# Altium PCB DRS4-PCB.PcbDoc (part 1 of 15) (continued)
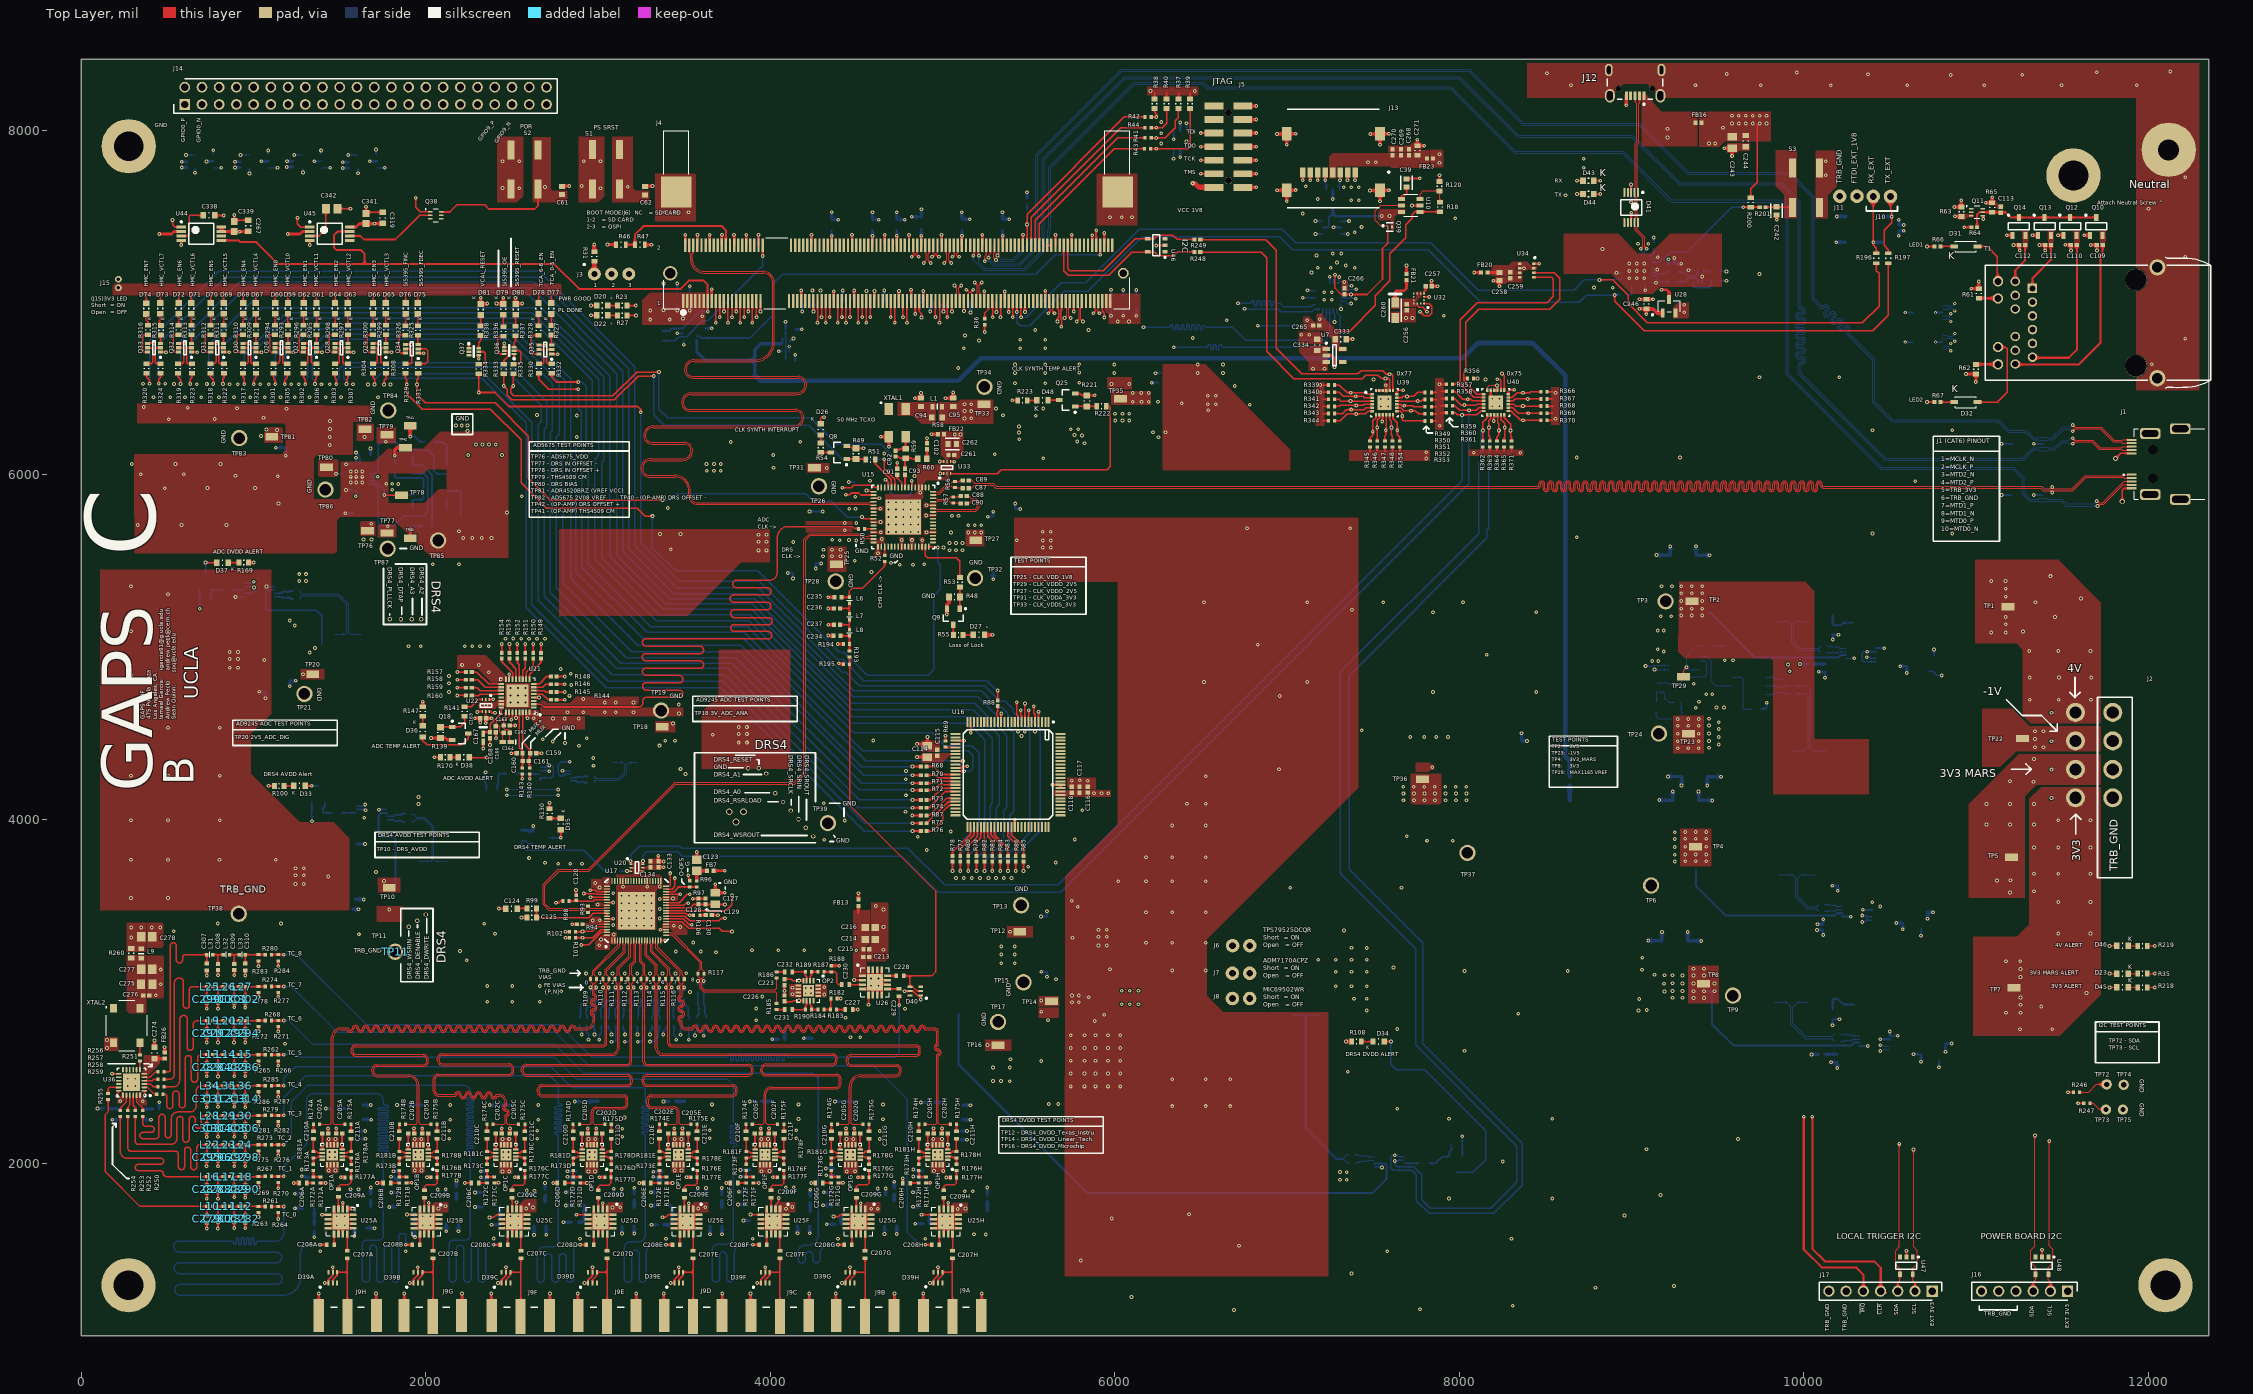
[diagram p0: Top Layer view]
## Design rules (kind name [scope] priority, off if disabled: settings) (continued)
DiffPairsRouting [All] p19: maxlimit=6 minlimit=5 mostfreqgap=5 toplayer_minwidth=4 toplayer_maxwidth=5 toplayer_prefwidth=5 midlayer1_minwidth=5 midlayer1_maxwidth=15 midlayer1_prefwidth=15 midlayer2_minwidth=5 midlayer2_maxwidth=15 midlayer2_prefwidth=15 midlayer3_prefgap=6 midlayer3_minwidth=3.24 midlayer3_maxwidth=5 midlayer3_prefwidth=4 midlayer4_minwidth=5 midlayer4_maxwidth=15 midlayer4_prefwidth=15 midlayer5_minwidth=5 midlayer5_maxwidth=15 midlayer5_prefwidth=15 midlayer6_minwidth=5 midlayer6_maxwidth=15 midlayer6_prefwidth=15 midlayer7_minwidth=5 midlayer7_maxwidth=15 midlayer7_prefwidth=15 midlayer8_minwidth=4 midlayer8_maxwidth=5 midlayer8_prefwidth=4 midlayer9_minwidth=5 midlayer9_maxwidth=15 midlayer9_prefwidth=15 midlayer10_minwidth=5 midlayer10_maxwidth=15 midlayer10_prefwidth=15 bottomlayer_minwidth=5 bottomlayer_maxwidth=15 bottomlayer_prefwidth=5 maxuncoupledlength=500
HoleSize [All] p1: absolutevalues=TRUE maxlimit=500 minlimit=1 maxpercent=80.000 minpercent=20.000
MatchedLengths "Schematic Matched Net Lengths_19" [InNet('IO_MIO41_B13_L16_W9')] p1: tolerance=100 checknetsindiffpair=FALSE checkdiffpairvsdiffpair=TRUE checkxsignals=TRUE checkothers=TRUE
MatchedLengths "Schematic Matched Net Lengths_18" [InNet('IO_B35_L3_N')] p2: tolerance=100 checknetsindiffpair=FALSE checkdiffpairvsdiffpair=TRUE checkxsignals=TRUE checkothers=TRUE
MatchedLengths "Schematic Matched Net Lengths_17" [InNet('MCLK_P')] p3: tolerance=100 checknetsindiffpair=FALSE checkdiffpairvsdiffpair=TRUE checkxsignals=TRUE checkothers=TRUE
MatchedLengths "Schematic Matched Net Lengths_16" [InNet('IO_B35_L3_P')] p4: tolerance=100 checknetsindiffpair=FALSE checkdiffpairvsdiffpair=TRUE checkxsignals=TRUE checkothers=TRUE
MatchedLengths "Schematic Matched Net Lengths_15" [InNet('IO_B35_L6_P')] p5: tolerance=100 checknetsindiffpair=FALSE checkdiffpairvsdiffpair=TRUE checkxsignals=TRUE checkothers=TRUE
MatchedLengths "Schematic Matched Net Lengths_14" [InNet('SDIO_CLK')] p6: tolerance=100 checknetsindiffpair=FALSE checkdiffpairvsdiffpair=TRUE checkxsignals=TRUE checkothers=TRUE
MatchedLengths "Schematic Matched Net Lengths_13" [InNet('IO_MIO43_B13_L18_Y11')] p7: tolerance=100 checknetsindiffpair=FALSE checkdiffpairvsdiffpair=TRUE checkxsignals=TRUE checkothers=TRUE
MatchedLengths "Schematic Matched Net Lengths_12" [InNet('IO_B35_L6_N')] p8: tolerance=100 checknetsindiffpair=FALSE checkdiffpairvsdiffpair=TRUE checkxsignals=TRUE checkothers=TRUE
MatchedLengths "Schematic Matched Net Lengths_11" [InNet('IO_MIO44_B13_L14_SRCC_Y9')] p9: tolerance=100 checknetsindiffpair=FALSE checkdiffpairvsdiffpair=TRUE checkxsignals=TRUE checkothers=TRUE
MatchedLengths "Schematic Matched Net Lengths_10" [InNet('IO_B35_L5_P')] p10: tolerance=100 checknetsindiffpair=FALSE checkdiffpairvsdiffpair=TRUE checkxsignals=TRUE checkothers=TRUE
MatchedLengths "Schematic Matched Net Lengths_9" [InNet('IO_MIO42_B13_L18_W11')] p11: tolerance=100 checknetsindiffpair=FALSE checkdiffpairvsdiffpair=TRUE checkxsignals=TRUE checkothers=TRUE
MatchedLengths "Schematic Matched Net Lengths_8" [InNet('IO_MIO40_B13_L16_W10')] p12: tolerance=100 checknetsindiffpair=FALSE checkdiffpairvsdiffpair=TRUE checkxsignals=TRUE checkothers=TRUE
MatchedLengths "Schematic Matched Net Lengths_7" [InNet('SD_DAT2')] p13: tolerance=100 checknetsindiffpair=FALSE checkdiffpairvsdiffpair=TRUE checkxsignals=TRUE checkothers=TRUE
MatchedLengths "Schematic Matched Net Lengths_6" [InNet('SD_DAT3')] p14: tolerance=100 checknetsindiffpair=FALSE checkdiffpairvsdiffpair=TRUE checkxsignals=TRUE checkothers=TRUE
MatchedLengths "Schematic Matched Net Lengths_5" [InNet('SD_DAT0')] p15: tolerance=100 checknetsindiffpair=FALSE checkdiffpairvsdiffpair=TRUE checkxsignals=TRUE checkothers=TRUE
MatchedLengths "Schematic Matched Net Lengths_4" [InNet('IO_B35_L5_N')] p16: tolerance=100 checknetsindiffpair=FALSE checkdiffpairvsdiffpair=TRUE checkxsignals=TRUE checkothers=TRUE
MatchedLengths "Schematic Matched Net Lengths_3" [InNet('SD_DAT1')] p17: tolerance=100 checknetsindiffpair=FALSE checkdiffpairvsdiffpair=TRUE checkxsignals=TRUE checkothers=TRUE
MatchedLengths "Schematic Matched Net Lengths_2" [InNet('SD_CMD')] p18: tolerance=100 checknetsindiffpair=FALSE checkdiffpairvsdiffpair=TRUE checkxsignals=TRUE checkothers=TRUE
MatchedLengths "Schematic Matched Net Lengths_1" [InNet('SD_CLK')] p19: tolerance=100 checknetsindiffpair=FALSE checkdiffpairvsdiffpair=TRUE checkxsignals=TRUE checkothers=TRUE
MatchedLengths "Schematic Matched Net Lengths" [InNet('IO_MIO45_B13_L14_Y8')] p20: tolerance=100 checknetsindiffpair=FALSE checkdiffpairvsdiffpair=TRUE checkxsignals=TRUE checkothers=TRUE
PlaneConnect [All] p1: planeconnectstyle=Direct reliefexpansion=20 reliefentries=4 reliefconductorwidth=10 reliefairgap=10
PolygonConnect [All] p1: connectstyle=Direct reliefconductorwidth=10 reliefentries=4 polygonreliefangle="90 Angle" airgapwidth=10
RoomDefinition ToF [InComponentClass('ToF')] p1: confinementstyle=ConfineIn formatcopy=TRUE lockcomponents=FALSE outline 0,0 2000,0 2000,1000 0,1000
RoomDefinition "TCA FILTER" [InComponentClass('TCA FILTER')] p2: confinementstyle=ConfineIn formatcopy=TRUE lockcomponents=FALSE outline 0,0 2000,0 2000,1000 0,1000
RoomDefinition "TCA CLK" [InComponentClass('TCA CLK')] p3: confinementstyle=ConfineIn formatcopy=TRUE lockcomponents=FALSE outline 0,0 2000,0 2000,1000 0,1000
RoomDefinition SOM1 [InComponentClass('SOM1')] p4: confinementstyle=ConfineIn formatcopy=TRUE lockcomponents=FALSE outline 0,0 2000,0 2000,1000 0,1000
RoomDefinition "Misc. GPIO" [InComponentClass('Misc. GPIO')] p5: confinementstyle=ConfineIn formatcopy=TRUE lockcomponents=FALSE outline 0,0 2000,0 2000,1000 0,1000
RoomDefinition "MIO Peripherals" [InComponentClass('MIO Peripherals')] p6: confinementstyle=ConfineIn formatcopy=TRUE lockcomponents=FALSE outline 0,0 2000,0 2000,1000 0,1000
RoomDefinition "MarsZX2 PWR Reset" [InComponentClass('MarsZX2 PWR Reset')] p7: confinementstyle=ConfineIn formatcopy=TRUE lockcomponents=FALSE outline 0,0 2000,0 2000,1000 0,1000
RoomDefinition "Mars PWR" [InComponentClass('Mars PWR')] p8: confinementstyle=ConfineIn formatcopy=TRUE lockcomponents=FALSE outline 0,0 2000,0 2000,1000 0,1000
RoomDefinition "Mars Ethernet" [InComponentClass('Mars Ethernet')] p9: confinementstyle=ConfineIn formatcopy=TRUE lockcomponents=FALSE outline 0,0 2000,0 2000,1000 0,1000
RoomDefinition "Main Voltage Sensors" [InComponentClass('Main Voltage Sensors')] p10: confinementstyle=ConfineIn formatcopy=TRUE lockcomponents=FALSE outline 0,0 2000,0 2000,1000 0,1000
RoomDefinition "I2C Multiplexer" [InComponentClass('I2C Multiplexer')] p11: confinementstyle=ConfineIn formatcopy=TRUE lockcomponents=FALSE outline 0,0 2000,0 2000,1000 0,1000
RoomDefinition "I2C GPIO LED" [InComponentClass('I2C GPIO LED')] p12: confinementstyle=ConfineIn formatcopy=TRUE lockcomponents=FALSE outline 0,0 2000,0 2000,1000 0,1000
RoomDefinition "I2C GPIO" [InComponentClass('I2C GPIO')] p13: confinementstyle=ConfineIn formatcopy=TRUE lockcomponents=FALSE outline 0,0 2000,0 2000,1000 0,1000
RoomDefinition FTDI [InComponentClass('FTDI')] p14: confinementstyle=ConfineIn formatcopy=TRUE lockcomponents=FALSE outline 0,0 2000,0 2000,1000 0,1000
RoomDefinition FE8 [InComponentClass('FE8')] p15: confinementstyle=ConfineIn formatcopy=TRUE lockcomponents=FALSE outline 0,0 2000,0 2000,1000 0,1000
RoomDefinition FE7 [InComponentClass('FE7')] p16: confinementstyle=ConfineIn formatcopy=TRUE lockcomponents=FALSE outline 0,0 2000,0 2000,1000 0,1000
RoomDefinition FE6 [InComponentClass('FE6')] p17: confinementstyle=ConfineIn formatcopy=TRUE lockcomponents=FALSE outline 0,0 2000,0 2000,1000 0,1000
RoomDefinition FE5 [InComponentClass('FE5')] p18: confinementstyle=ConfineIn formatcopy=TRUE lockcomponents=FALSE outline 0,0 2000,0 2000,1000 0,1000
RoomDefinition FE4 [InComponentClass('FE4')] p19: confinementstyle=ConfineIn formatcopy=TRUE lockcomponents=FALSE outline 0,0 2000,0 2000,1000 0,1000
RoomDefinition FE3 [InComponentClass('FE3')] p20: confinementstyle=ConfineIn formatcopy=TRUE lockcomponents=FALSE outline 0,0 2000,0 2000,1000 0,1000
RoomDefinition FE2 [InComponentClass('FE2')] p21: confinementstyle=ConfineIn formatcopy=TRUE lockcomponents=FALSE outline 0,0 2000,0 2000,1000 0,1000
RoomDefinition FE1 [InComponentClass('FE1')] p22: confinementstyle=ConfineIn formatcopy=TRUE lockcomponents=FALSE outline 0,0 2000,0 2000,1000 0,1000
RoomDefinition FE0 [InComponentClass('FE0')] p23: confinementstyle=ConfineIn formatcopy=TRUE lockcomponents=FALSE outline 0,0 2000,0 2000,1000 0,1000
RoomDefinition DRS1 [InComponentClass('DRS1')] p24: confinementstyle=ConfineIn formatcopy=TRUE lockcomponents=FALSE outline 0,0 2000,0 2000,1000 0,1000
RoomDefinition DAC [InComponentClass('DAC')] p25: confinementstyle=ConfineIn formatcopy=TRUE lockcomponents=FALSE outline 0,0 2000,0 2000,1000 0,1000
RoomDefinition "Clock synthesis" [InComponentClass('Clock synthesis')] p26: confinementstyle=ConfineIn formatcopy=TRUE lockcomponents=FALSE outline 0,0 2000,0 2000,1000 0,1000
RoomDefinition "Clock Power" [InComponentClass('Clock Power')] p27: confinementstyle=ConfineIn formatcopy=TRUE lockcomponents=FALSE outline 0,0 2000,0 2000,1000 0,1000
RoomDefinition ADC [InComponentClass('ADC')] p28: confinementstyle=ConfineIn formatcopy=TRUE lockcomponents=FALSE outline 0,0 2000,0 2000,1000 0,1000
RoomDefinition -1V [InComponentClass('-1V')] p29: confinementstyle=ConfineIn formatcopy=TRUE lockcomponents=FALSE outline 0,0 2000,0 2000,1000 0,1000
RoomDefinition 4V [InComponentClass('4V')] p30: confinementstyle=ConfineIn formatcopy=TRUE lockcomponents=FALSE outline 0,0 2000,0 2000,1000 0,1000
RoomDefinition 3V_ADC [InComponentClass('3V_ADC')] p31: confinementstyle=ConfineIn formatcopy=TRUE lockcomponents=FALSE outline 0,0 2000,0 2000,1000 0,1000
RoomDefinition 3V3_DIST_ZYNQ [InComponentClass('3V3_DIST_ZYNQ')] p32: confinementstyle=ConfineIn formatcopy=TRUE lockcomponents=FALSE outline 0,0 2000,0 2000,1000 0,1000
RoomDefinition 3_3V_DIST [InComponentClass('3_3V_DIST')] p33: confinementstyle=ConfineIn formatcopy=TRUE lockcomponents=FALSE outline 0,0 2000,0 2000,1000 0,1000
RoomDefinition 2V5_DRS4_SUPPLY [InComponentClass('2V5_DRS4_SUPPLY')] p34: confinementstyle=ConfineIn formatcopy=TRUE lockcomponents=FALSE outline 0,0 2000,0 2000,1000 0,1000
RoomDefinition 1V8_SUPPLY [InComponentClass('1V8_SUPPLY')] p35: confinementstyle=ConfineIn formatcopy=TRUE lockcomponents=FALSE outline 0,0 2000,0 2000,1000 0,1000
RoutingVias [All] p1: holewidth=28 width=50 viastyle="Through Hole" minholewidth=28 minwidth=50 maxholewidth=28 maxwidth=50
SolderMaskExpansion [All] p1: expansion=4 istentingtop=FALSE
UnRoutedNet DeadVias [(ObjectKind = 'Via') And (Net = 'No Net')] p1:
UnRoutedNet DeadTracks [(ObjectKind = 'Track') And (Layer = 'Bottom Layer') And (Net = 'No Net')] p2:
UnRoutedNet [All] p3: checkbadconnections=TRUE
Width Width_S50 [InNetClass('S50')] p1: maxlimit=10 minlimit=3 preferedwidth=3.61 toplayer_minwidth=7 toplayer_prefwidth=8.72 midlayer2_minwidth=4 midlayer2_prefwidth=4.8 bottomlayer_minwidth=7 bottomlayer_prefwidth=8.72 impedanceprofiledriven=TRUE impedanceprofileid={BFA43C06-BE16-4340-AEB9-550528105CF2} impedanceprofilevalue=50.000000 minimp=50.000000 maximp=50.000000 favimp=50.000000 // 50 Ohm single ended
Width [All] p2: maxlimit=196.85 minlimit=5 preferedwidth=10 minimp=50.000000 maximp=50.000000 favimp=50.000000
26 further rules are at their usual default settings.

## Classes and differential pairs
component class "Galvanic I2C Interface": J16 J17 U47 U48
differential pair class D90: USB
differential pair class D100: 3V3_SENSE 3V3_ZYNQ_SENSE 4V_SENSE -1V_SENSE ADC_ANA_SENSE ADC_DIG_SENSE DRS4_IN0 DRS4_IN1 DRS4_IN2 DRS4_IN3 DRS4_IN4 DRS4_IN5 DRS4_IN6 DRS4_IN7 DRS4_IN8 ETH_A ETH_B ETH_C ETH_D GPIO0 GPIO1 GPIO2 GPIO3 GPIO4 GPIO5 GPIO6 GPIO7 IO_B35_L3 IO_B35_L5 IO_B35_L6 MCLK OUT0A OUT2 OUT9A
net class S50: ADC_CLK CLK_SYNTH_8 CLK_SYNTH_LP IO_MIO40_B13_L16_W10 IO_MIO41_B13_L16_W9 IO_MIO42_B13_L18_W11 IO_MIO43_B13_L18_Y11 IO_MIO44_B13_L14_SRCC_Y9 IO_MIO45_B13_L14_Y8 NetC206A_2 NetC206B_2 NetC206C_2 NetC206D_2 NetC206E_2 NetC206F_2 NetC206G_2 NetC206H_2 NetC207A_1 NetC207A_2 NetC207B_1 NetC207B_2 NetC207C_1 NetC207C_2 NetC207D_1 NetC207D_2 NetC207E_1 NetC207E_2 NetC207F_1 NetC207F_2 NetC207G_1 NetC207G_2 NetC207H_1 NetC207H_2 NetC208A_1 NetC208B_1 NetC208C_1 NetC208D_1 NetC208E_1 NetC208F_1 NetC208G_1 NetC208H_1 NetC209A_1 NetC209A_2 NetC209B_1 NetC209B_2 NetC209C_1 NetC209C_2 NetC209D_1 NetC209D_2 NetC209E_1 NetC209E_2 NetC209F_1 NetC209F_2 NetC209G_1 NetC209G_2 NetC209H_1 NetC209H_2 NetC227_2 NetC228_1 NetC229_1 NetC230_1 NetC230_2 NetC234_2 NetC236_2 NetC237_2 NetC280_2 NetC281_2 NetC282_2 NetC284_2 NetC285_2 NetC286_2 NetC288_2 NetC289_2 NetC290_2 NetC292_2 NetC293_2 NetC294_2 NetC296_2 NetC297_2 NetC298_2 NetC300_2 NetC301_2 NetC302_2 NetC304_2 NetC305_2 NetC306_2 NetC308_2 NetC309_2 NetC310_2 NetC312_2 NetC313_2 NetC314_2 NetOP1A_2 NetOP1A_11 NetOP1B_2 NetOP1B_11 NetOP1C_2 NetOP1C_11 NetOP1D_2 NetOP1D_11 NetOP1E_2 NetOP1E_11 NetOP1F_2 NetOP1F_11 NetOP1G_2 NetOP1G_11 NetOP1H_2 NetOP1H_11 NetOP2_2 NetR171A_1 NetR171B_1 NetR171C_1 NetR171D_1 NetR171E_1 NetR171F_1 NetR171G_1 NetR171H_1 NetR182_1 NetR250_1 NetR252_1 NetR253_1 NetR254_1 NetR255_1 NetR256_1 NetR257_1 NetR258_1 NetR259_1 NetU36_14 NetU36_15 NetU36_16 OUT1 OUT3 SD_CLK SD_CMD SD_DAT0 SD_DAT1 SD_DAT2 SD_DAT3 SDIO_CLK TC_0 TC_1 TC_2 TC_3 TC_4 TC_5 TC_6 TC_7 TC_8 TCA_CLK0 TCA_CLK1 TCA_CLK2 TCA_CLK3 TCA_CLK4 TCA_CLK5 TCA_CLK6 TCA_CLK7 TCA_CLK8
component class "I2C GPIO": C114 C115 C116 C117 C118 R68 R69 R70 R71 R72 R73 R74 R75 R76 R77 R78 R79 R80 R81 R82 R83 R84 R85 R86 R87 R88 U16
component class "MarsZX2 PWR Reset": C267 C319 C338 C339 C341 C342 Q38 U44 U45
component class "I2C Multiplexer": C329 C330 R339 R340 R341 R342 R343 R344 R345 R346 R347 R348 R349 R350 R351 R352 R353 R354 R356 R357 R358 R359 R360 R361 R362 R363 R364 R365 R366 R367 R368 R369 R370 R371 U39 U40
component class 1V8_SUPPLY: C333 C334 U7
channel class ANA_FE: FE0 FE1 FE2 FE3 FE4 FE5 FE6 FE7
component class FE7: C192H C193H C194H C195H C196H C197H C198H C199H C200H C201H C202H C203H C204H C205H C206H C207H C208H C209H C210H C211H C212H C221_FE7 C222_FE7 C223_FE7 D39H FB10H FB11H FB12H J9H L2H L3H OP1H R171H R172H R173H R174H R175H R176H R177H R178H R179H R180H R181H U25H
component class FE6: C192G C193G C194G C195G C196G C197G C198G C199G C200G C201G C202G C203G C204G C205G C206G C207G C208G C209G C210G C211G C212G C221_FE6 C222_FE6 C223_FE6 D39G FB10G FB11G FB12G J9G L2G L3G OP1G R171G R172G R173G R174G R175G R176G R177G R178G R179G R180G R181G U25G
component class FE5: C192F C193F C194F C195F C196F C197F C198F C199F C200F C201F C202F C203F C204F C205F C206F C207F C208F C209F C210F C211F C212F C221_FE5 C222_FE5 C223_FE5 D39F FB10F FB11F FB12F J9F L2F L3F OP1F R171F R172F R173F R174F R175F R176F R177F R178F R179F R180F R181F U25F
component class FE4: C192E C193E C194E C195E C196E C197E C198E C199E C200E C201E C202E C203E C204E C205E C206E C207E C208E C209E C210E C211E C212E C221_FE4 C222_FE4 C223_FE4 D39E FB10E FB11E FB12E J9E L2E L3E OP1E R171E R172E R173E R174E R175E R176E R177E R178E R179E R180E R181E U25E
component class FE3: C192D C193D C194D C195D C196D C197D C198D C199D C200D C201D C202D C203D C204D C205D C206D C207D C208D C209D C210D C211D C212D C221_FE3 C222_FE3 C223_FE3 D39D FB10D FB11D FB12D J9D L2D L3D OP1D R171D R172D R173D R174D R175D R176D R177D R178D R179D R180D R181D U25D
component class FE2: C192C C193C C194C C195C C196C C197C C198C C199C C200C C201C C202C C203C C204C C205C C206C C207C C208C C209C C210C C211C C212C C221_FE2 C222_FE2 C223_FE2 D39C FB10C FB11C FB12C J9C L2C L3C OP1C R171C R172C R173C R174C R175C R176C R177C R178C R179C R180C R181C U25C
component class FE1: C192B C193B C194B C195B C196B C197B C198B C199B C200B C201B C202B C203B C204B C205B C206B C207B C208B C209B C210B C211B C212B C221_FE1 C222_FE1 C223_FE1 D39B FB10B FB11B FB12B J9B L2B L3B OP1B R171B R172B R173B R174B R175B R176B R177B R178B R179B R180B R181B U25B
component class FE0: C192A C193A C194A C195A C196A C197A C198A C199A C200A C201A C202A C203A C204A C205A C206A C207A C208A C209A C210A C211A C212A C221_FE0 C222_FE0 C223_FE0 D39A FB10A FB11A FB12A J9A L2A L3A OP1A R171A R172A R173A R174A R175A R176A R177A R178A R179A R180A R181A U25A
component class "TCA FILTER": C279 C280 C281 C282 C283 C284 C285 C286 C287 C288 C289 C290 C291 C292 C293 C294 C295 C296 C297 C298 C299 C300 C301 C302 C303 C304 C305 C306 C307 C308 C309 C310 C311 C312 C313 C314 L10 L11 L12 L13 L14 L15 L16 L17 L18 L19 L20 L21 L22 L23 L24 L25 L26 L27 L28 L29 L30 L31 L32 L33 L34 L35 L36 R261 R262 R263 R264 R265 R266 R267 R268 R269 R270 R271 R272 R273 R274 R275 R276 R277 R278 R279 R280 R281 R282 R283 R284 R285 R286 R287
component class "TCA CLK": C272 C273 C274 C275 C276 C277 C278 FB24 FB25 FB26 L9 R250 R251 R252 R253 R254 R255 R256 R257 R258 R259 R260 U36 XTAL2
component class "Main Voltage Sensors": C40 C41 C42 C247 C248 C249 C250 C251 C252 C253 C254 C255 C256 C257 C258 C259 C260 C261 C262 C264 D45 D46 D48 FB17 FB18 FB20 FB21 FB22 Q22 Q23 Q25 R121 R122 R123 R124 R125 R126 R206 R207 R208 R209 R210 R212 R213 R214 R215 R216 R218 R219 R221 R222 R223 TP29 U29 U30 U31 U32 U33 U34 U43 U49
component class "MIO Peripherals": C39 C265 C266 C268 C269 C270 C271 D49 D50 FB23 J13 Q39 R18 R120 R246 R247 R248 R249 TP72 TP73 TP74 TP75 U10 U35 U46
component class "Misc. GPIO": C315 C316 C317 C318 D54 D55 D56 D57 J14
component class FTDI: C238 C239 C240 C241 C242 C243 C244 C245 C246 D41 D42 D43 D44 FB16 J10 J11 J12 Q21 R196 R197 R198 R199 R200 R201 R202 R203 R204 R205 S3 U27 U28
component class FE8: C213 C214 C215 C216 C217 C218 C219 C220 C221 C222 C223 C224 C225 C226 C227 C228 C229 C230 C231 C232 C233 C234 C235 C236 C237 D40 FB13 FB14 FB15 L4 L5 L6 L7 L8 OP2 R182 R183 R184 R185 R186 R187 R188 R189 R190 R191 R192 R193 R194 R195 U26
component class 4V: C1 C2 CR1 D5 F1 F? FB1 Q1 R1 R2 TP1 TP2 TP3
component class -1V: C29 C30 CR4 F4 FB4 R14 TP22 TP23 TP24
component class ToF: *? D1 D2 D3 D4 D25 D28 J1 J2
component class "Mars PWR": C51 C52 C53 C54 C55 C56 C57 C58 C59 C60 C61 C62 C63 C64 C65 C66 C67 C68 C69 C70 C71 C72 C73 C74 C75 C76 C77 C78 C79 C80 C81 C82 C83 C84 CR5 D19 D20 D21 D22 D23 F5 FB5 gnd J3 Q4 Q5 Q6 Q7 R21 R22 R23 R24 R25 R26 R27 R28 R29 R30 R31 R32 R33 R34 R35 S1 S2 TP35 TP36 TP37 TP38 U13 U14
component class DAC: C321 C322 C323 C324 C325 C326 C327 C328 FB27 FB28 FB29 OP3 R288 R289 R290 R291 R292 TP40 TP41 TP42 TP76 TP77 TP78 TP79 TP80 TP81 TP82 TP83 TP84 TP85 TP86 TP87 U37 U38
component class "Clock Power": C31 C32 C33 C34 C35 C36 C37 C38 C43 C44 C45 C46 C47 C48 C49 C50 D14 D15 D17 D18 R16 R17 R19 R20 TP25 TP26 TP27 TP28 TP31 TP32 TP33 TP34 U8 U9 U11 U12
component class 3V_ADC: C21 C22 C23 C24 C25 C26 C27 C28 D11 D12 R12 R13 TP18 TP19 TP20 TP21 U5 U6
component class 3V3_DIST_ZYNQ: C3 C4 CR2 D6 F2 FB2 Q2 R3 R4 TP4 TP5 TP6
component class 3_3V_DIST: C5 C6 D7 F3 FB3 Q3 R5 R6 TP7 TP8 TP9
component class 2V5_DRS4_SUPPLY: C7 C8 C9 C10 C11 C12 C13 C14 C15 C16 C17 C18 C19 C20 D8 D9 D10 R7 R8 R9 R10 R11 TP10 TP11 TP12 TP13 TP14 TP15 TP16 TP17 U1 U2 U3 U4
component class "I2C GPIO LED": D59 D60 D61 D62 D63 D64 D65 D66 D67 D68 D69 D70 D71 D72 D73 D74 D75 D76 D77 D78 D79 D80 D81 J15 Q26 Q27 Q28 Q29 Q30 Q31 Q32 Q33 Q34 Q35 Q36 Q37 Q? R293 R294 R295 R296 R297 R298 R299 R300 R301 R302 R303 R304 R305 R306 R307 R308 R309 R310 R311 R312 R313 R314 R315 R316 R317 R318 R319 R320 R321 R322 R323 R324 R325 R326 R327 R328 R329 R330 R331 R332 R333 R334 R335 R336 R337 R338
component class SOM1: C85 D24 J4 J5 R36 R37 R38 R39 R40 R41 R42 R43 R44 R45 R46 R47
component class "Mars Ethernet": C109 C110 C111 C112 C113 D29 D30 D31 D32 Q10 Q11 Q12 Q13 Q14 R61 R62 R63 R64 R65 R66 R67 T1
component class DRS1: a2 C119 C120 C121 C122 C123 C124 C125 C126 C127 C128 C129 C130 C131 C132 C133 C134 C135 C136 C137 C138 C139 C140 C141 C142 C143 C144 C145 C146 C147 C148 C149 C150 C151 C152 C153 C154 C155 C156 C157 C158 D33 D34 D35 FB7 J6 J7 J8 Q15 Q16 Q17 R89 R90 R91 R92 R93 R94 R95 R96 R97 R98 R99 R100 R101 R102 R103 R104 R105 R106 R107 R108 R109 R110 R111 R112 R113 R114 R115 R116 R117 R118 R119 R129 R130 TP39 U17 U18 U19 U20
component class "Clock synthesis": C86 C87 C88 C89 C90 C91 C92 C93 C94 C95 C96 C97 C98 C99 C100 C101 C102 C103 C104 C105 C106 C107 C108 D26 D27 FB6 L1 Q8 Q9 R48 R49 R50 R51 R52 R53 R54 R55 R56 R57 R58 R59 R60 U15 XTAL1
component class ADC: C159 C160 C161 C162 C163 C164 C165 C166 C167 C168 C170 C171 C172 C173 C174 C175 C176 C177 C178 C179 C180 C181 C182 C183 C184 C185 C186 C187 C188 C189 C190 C191 D36 D37 D38 FB8 FB9 Q18 Q19 Q20 R127 R128 R139 R140 R141 R143 R144 R145 R146 R147 R148 R149 R150 R151 R152 R153 R154 R157 R158 R159 R160 R161 R162 R163 R164 R165 R166 R167 R168 R169 R170 U21 U22 U23 U24
differential pair OUT2: +OUT2_P -OUT2_N
differential pair IO_B35_L6: +IO_B35_L6_P -IO_B35_L6_N
differential pair IO_B35_L5: +IO_B35_L5_P -IO_B35_L5_N
differential pair GPIO7: +GPIO7_P -GPIO7_N
differential pair GPIO6: +GPIO6_P -GPIO6_N
differential pair GPIO5: +GPIO5_P -GPIO5_N
differential pair GPIO4: +GPIO4_P -GPIO4_N
differential pair GPIO3: +GPIO3_P -GPIO3_N
differential pair GPIO2: +GPIO2_P -GPIO2_N
differential pair GPIO1: +GPIO1_P -GPIO1_N
differential pair GPIO0: +GPIO0_P -GPIO0_N
differential pair IO_B35_L3: +IO_B35_L3_P -IO_B35_L3_N
differential pair OUT0A: +OUT0A_P -OUT0A_N
differential pair DRS4_DVDD: +DRS4_DVDD_P -DRS4_DVDD_N
differential pair DRS4_AVDD: +DRS4_AVDD_P -DRS4_AVDD_N
differential pair ADC_DIG_SENSE: +ADC_DIG_SENSE_P -ADC_DIG_SENSE_N
differential pair ADC_ANA_SENSE: +ADC_ANA_SENSE_P -ADC_ANA_SENSE_N
differential pair 3V3_ZYNQ_SENSE: +3V3_ZYNQ_SENSE_P -3V3_ZYNQ_SENSE_N
differential pair 4V_SENSE: +4V_SENSE_P -4V_SENSE_N
differential pair -1V_SENSE: +-1V_SENSE_P --1V_SENSE_N
differential pair 3V3_SENSE: +3V3_SENSE_P -3V3_SENSE_N
differential pair MCLK: +MCLK_P -MCLK_N
differential pair USB: +USB_P -USB_N
differential pair DRS4_IN8: +DRS4_IN8_P -DRS4_IN8_N
differential pair DRS4_IN7: +DRS4_IN7_P -DRS4_IN7_N
differential pair DRS4_IN6: +DRS4_IN6_P -DRS4_IN6_N
differential pair DRS4_IN5: +DRS4_IN5_P -DRS4_IN5_N
differential pair DRS4_IN4: +DRS4_IN4_P -DRS4_IN4_N
differential pair DRS4_IN3: +DRS4_IN3_P -DRS4_IN3_N
differential pair DRS4_IN2: +DRS4_IN2_P -DRS4_IN2_N
differential pair DRS4_IN1: +DRS4_IN1_P -DRS4_IN1_N
differential pair DRS4_IN0: +DRS4_IN0_P -DRS4_IN0_N
differential pair OUT9A: +OUT9A_P -OUT9A_N
differential pair ETH_D: +ETH_D_P -ETH_D_N
differential pair ETH_C: +ETH_C_P -ETH_C_N
differential pair ETH_B: +ETH_B_P -ETH_B_N
differential pair ETH_A: +ETH_A_P -ETH_A_N

## Components (designator, comment, footprint, x,y, rotation, side; value= is the part's Value field where it differs from the comment)
C1 "Cap_Kemet_T521B226M025ATE100_22uF" Cap_Kemet_T521B226M025ATE100_22uF 9224.08,5478.07 r90 bottom
C2 "Cap_Kemet_T521B226M025ATE100_22uF" Cap_Kemet_T521B226M025ATE100_22uF 9374.67,5477.63 r90 bottom
C3 "Cap_Kemet_T521B226M025ATE100_22uF" Cap_Kemet_T521B226M025ATE100_22uF 9237.36,4056.89 r90 bottom
C4 "Cap_Kemet_T521B226M025ATE100_22uF" Cap_Kemet_T521B226M025ATE100_22uF 9388.54,4055.95 r90 bottom
C5 "Cap_Kemet_T521B226M025ATE100_22uF" Cap_Kemet_T521B226M025ATE100_22uF 9174.39,3240.35 r90 bottom
C6 "Cap_Kemet_T521B226M025ATE100_22uF" Cap_Kemet_T521B226M025ATE100_22uF 9325.56,3240.35 r90 bottom
C7 "Cap_Murata_ZRB18AR6YA475ME05L_4.7uF" Cap_Murata_ZRB18AR6YA475ME05L_4.7uF 1592.48,3695.66 r90 bottom
C8 "Cap_Kemet_C0603C103J5RACTU_eec" Kemet_C0603_0 1550.8,3478.93 r0 bottom value=10nF
C9 "Cap_Murata_ZRB18AR6YA475ME05L_4.7uF" Cap_Murata_ZRB18AR6YA475ME05L_4.7uF 1593.73,3567.69 r90 bottom
C10 "Cap_Murata_ZRB18AR6YA475ME05L_4.7uF" Cap_Murata_ZRB18AR6YA475ME05L_4.7uF 1593.13,3823.62 r270 bottom
C11 "Cap_Murata_ZRB18AR6YA475ME05L_4.7uF" Cap_Murata_ZRB18AR6YA475ME05L_4.7uF 5605.21,3274.61 r270 bottom
C12 "Cap_Murata_ZRB18AR6YA475ME05L_4.7uF" Cap_Murata_ZRB18AR6YA475ME05L_4.7uF 5605.21,3146.65 r90 bottom
C13 "Cap_Kemet_C0603C103J5RACTU_eec" Kemet_C0603_0 5726.82,3493.61 r0 bottom value=10nF
C14 "Cap_Murata_ZRB18AR6YA475ME05L_4.7uF" Cap_Murata_ZRB18AR6YA475ME05L_4.7uF 5605.21,3402.57 r270 bottom
C15 "Cap_Murata_ZRB18AR6YA475ME05L_4.7uF" Cap_Murata_ZRB18AR6YA475ME05L_4.7uF 5439.44,2567.25 r270 bottom
C16 "Cap_Murata_ZRB18AR6YA475ME05L_4.7uF" Cap_Murata_ZRB18AR6YA475ME05L_4.7uF 5508.35,2641.41 r90 bottom
C17 "Cap_Murata_ZRB18AR6YA475ME05L_4.7uF" Cap_Murata_ZRB18AR6YA475ME05L_4.7uF 5561.89,2380.63 r90 bottom
C18 "Cap_Murata_ZRB18AR6YA475ME05L_4.7uF" Cap_Murata_ZRB18AR6YA475ME05L_4.7uF 5883.7,2897.08 r90 bottom
C19 "Cap_Murata_ZRB18AR6YA475ME05L_4.7uF" Cap_Murata_ZRB18AR6YA475ME05L_4.7uF 5611.32,2914.95 r90 bottom
C20 "Cap_Taiyo_Yuden_TMK105B7104KV-FR_100nF" Cap_Taiyo_Yuden_TMK105B7104KV-FR_100nF 5657.72,3023.39 r270 bottom
C21 "Cap_Murata_ZRB18AR6YA475ME05L_4.7uF" Cap_Murata_ZRB18AR6YA475ME05L_4.7uF 3506.92,4451.86 r270 bottom
C22 "Cap_Kemet_C0603C103J5RACTU_eec" Kemet_C0603_0 3550.5,4686.29 r180 bottom value=10nF
C23 "Cap_Murata_ZRB18AR6YA475ME05L_4.7uF" Cap_Murata_ZRB18AR6YA475ME05L_4.7uF 3508.09,4579.83 r270 bottom
C24 "Cap_Murata_ZRB18AR6YA475ME05L_4.7uF" Cap_Murata_ZRB18AR6YA475ME05L_4.7uF 3506.92,4323.9 r90 bottom
C25 "Cap_Murata_ZRB18AR6YA475ME05L_4.7uF" Cap_Murata_ZRB18AR6YA475ME05L_4.7uF 1209.99,4963.96 r90 bottom
C26 "Cap_Kemet_C0603C103J5RACTU_eec" Kemet_C0603_0 1092.43,4739.06 r180 bottom value=10nF
C27 "Cap_Murata_ZRB18AR6YA475ME05L_4.7uF" Cap_Murata_ZRB18AR6YA475ME05L_4.7uF 1209.99,4836 r90 bottom
C28 "Cap_Murata_ZRB18AR6YA475ME05L_4.7uF" Cap_Murata_ZRB18AR6YA475ME05L_4.7uF 1209.99,5091.92 r270 bottom
C29 "Cap_Kemet_T521B226M025ATE100_22uF" Cap_Kemet_T521B226M025ATE100_22uF 9288.55,4302.31 r90 bottom
C30 "Cap_Kemet_T521B226M025ATE100_22uF" Cap_Kemet_T521B226M025ATE100_22uF 9439.5,4301.14 r90 bottom
C31 "Cap_Murata_ZRB18AR6YA475ME05L_4.7uF" Cap_Murata_ZRB18AR6YA475ME05L_4.7uF 4264.15,5638.86 r90 bottom
C32 "Cap_Murata_ZRB18AR6YA475ME05L_4.7uF" Cap_Murata_ZRB18AR6YA475ME05L_4.7uF 4262.9,5516.79 r90 bottom
C33 "Cap_Murata_ZRB18AR6YA475ME05L_4.7uF" Cap_Murata_ZRB18AR6YA475ME05L_4.7uF 4265.24,5753.8 r270 bottom
C34 "Cap_Kemet_C0603C103J5RACTU_eec" Kemet_C0603_0 4153.83,5429.96 r180 bottom value=10nF
C35 "Cap_Murata_ZRB18AR6YA475ME05L_4.7uF" Cap_Murata_ZRB18AR6YA475ME05L_4.7uF 5294.37,5723.68 r270 bottom
C36 "Cap_Murata_ZRB18AR6YA475ME05L_4.7uF" Cap_Murata_ZRB18AR6YA475ME05L_4.7uF 5293.88,5595.71 r270 bottom
C37 "Cap_Kemet_C0603C103J5RACTU_eec" Kemet_C0603_0 5397.72,5800.05 r0 bottom value=10nF
C38 "Cap_Murata_ZRB18AR6YA475ME05L_4.7uF" Cap_Murata_ZRB18AR6YA475ME05L_4.7uF 5294.37,5463.09 r90 bottom
C39 "Cap_Kemet_C0603C103J5RACTU_eec" Kemet_C0603_0 7693,7694 r90 top value=10nF
C40 "Cap_Taiyo_Yuden_TMK105B7104KV-FR_100nF" Cap_Taiyo_Yuden_TMK105B7104KV-FR_100nF 9374.67,4738.62 r90 bottom
C41 "Cap_Taiyo_Yuden_TMK105B7104KV-FR_100nF" Cap_Taiyo_Yuden_TMK105B7104KV-FR_100nF 9308,4630 r180 bottom
C42 "Cap_Murata_ZRB18AR6YA475ME05L_4.7uF" Cap_Murata_ZRB18AR6YA475ME05L_4.7uF 9224.08,5038 r90 bottom
C43 "Cap_Murata_ZRB18AR6YA475ME05L_4.7uF" Cap_Murata_ZRB18AR6YA475ME05L_4.7uF 3875.87,6007.68 r90 bottom
C44 "Cap_Murata_ZRB18AR6YA475ME05L_4.7uF" Cap_Murata_ZRB18AR6YA475ME05L_4.7uF 4155.44,6005.31 r90 bottom
C45 "Cap_Murata_ZRB18AR6YA475ME05L_4.7uF" Cap_Murata_ZRB18AR6YA475ME05L_4.7uF 3874.1,6140.75 r270 bottom
C46 "Cap_Kemet_C0603C103J5RACTU_eec" Kemet_C0603_0 4161.32,6137.2 r90 bottom value=10nF
C47 "Cap_Murata_ZRB18AR6YA475ME05L_4.7uF" Cap_Murata_ZRB18AR6YA475ME05L_4.7uF 5310.08,6314.73 r270 bottom
C48 "Cap_Kemet_C0603C103J5RACTU_eec" Kemet_C0603_0 5302.44,6174.78 r270 bottom value=10nF
C49 "Cap_Murata_ZRB18AR6YA475ME05L_4.7uF" Cap_Murata_ZRB18AR6YA475ME05L_4.7uF 5584.05,6309.98 r270 bottom
C50 "Cap_Murata_ZRB18AR6YA475ME05L_4.7uF" Cap_Murata_ZRB18AR6YA475ME05L_4.7uF 5584.06,6162.74 r90 bottom
C51 "Cap_Murata_ZRB18AR6YA475ME05L_4.7uF" Cap_Murata_ZRB18AR6YA475ME05L_4.7uF 7714.59,4415.06 r270 bottom
C52 "Cap_Kemet_T521B226M025ATE100_22uF" Cap_Kemet_T521B226M025ATE100_22uF 7812.52,3984.09 r270 bottom
C53 "Cap_Kemet_T521B226M025ATE100_22uF" Cap_Kemet_T521B226M025ATE100_22uF 7961.22,3984.09 r270 bottom
C54 "Cap_Murata_ZRB18AR6YA475ME05L_4.7uF" Cap_Murata_ZRB18AR6YA475ME05L_4.7uF 6252.78,6279.58 r90 bottom
C55 "Cap_Taiyo_Yuden_TMK105B7104KV-FR_100nF" Cap_Taiyo_Yuden_TMK105B7104KV-FR_100nF 8734.74,3946.16 r270 bottom
C56 "Cap_Murata_ZRB18AR6YA475ME05L_4.7uF" Cap_Murata_ZRB18AR6YA475ME05L_4.7uF 6250.79,6502.11 r270 bottom
C57 "Cap_Kemet_C0603C103J5RACTU_eec" Kemet_C0603_0 6294.37,6591.42 r180 bottom value=10nF
C58 "Cap_Taiyo_Yuden_TMK105B7104KV-FR_100nF" Cap_Taiyo_Yuden_TMK105B7104KV-FR_100nF 10162.7,3484.84 r270 bottom
C59 "Cap_Taiyo_Yuden_TMK105B7104KV-FR_100nF" Cap_Taiyo_Yuden_TMK105B7104KV-FR_100nF 10158.09,3373.1 r90 bottom
C60 "Cap_Taiyo_Yuden_TMK105B7104KV-FR_100nF" Cap_Taiyo_Yuden_TMK105B7104KV-FR_100nF 10111.82,3373.1 r90 bottom
C61 "Cap_Kemet_C0603C103J5RACTU_eec" Kemet_C0603_0 2791.28,7650.08 r90 top value=10nF
C62 "Cap_Kemet_C0603C103J5RACTU_eec" Kemet_C0603_0 3273.04,7648.31 r90 top value=10nF
C63 "Cap_Murata_ GRM21BC71E106ME11L_10uF" "Cap_Murata_ GRM21BC71E106ME11L_10uF" 6124.53,7002.48 r90 bottom
C64 "Cap_Murata_ GRM21BC71E106ME11L_10uF" "Cap_Murata_ GRM21BC71E106ME11L_10uF" 6049.11,7002.48 r90 bottom
C65 "Cap_Murata_ZRB18AR6YA475ME05L_4.7uF" Cap_Murata_ZRB18AR6YA475ME05L_4.7uF 5977.23,6991.89 r90 bottom
C66 "Cap_Murata_ GRM21BC71E106ME11L_10uF" "Cap_Murata_ GRM21BC71E106ME11L_10uF" 4627.63,7004.09 r0 bottom
C67 "Cap_Murata_GCJ188R71E105KA01J_1uF" Cap_Murata_GCJ188R71E105KA01J_1uF 4217.58,7004.09 r0 bottom
C68 "Cap_Murata_GCJ188R71E105KA01J_1uF" Cap_Murata_GCJ188R71E105KA01J_1uF 4452.58,7004.09 r0 bottom
C69 "Cap_Murata_GCJ188R71E105KA01J_1uF" Cap_Murata_GCJ188R71E105KA01J_1uF 4355.98,7450.08 r270 bottom
C70 "Cap_Murata_ GRM21BC71E106ME11L_10uF" "Cap_Murata_ GRM21BC71E106ME11L_10uF" 5128.86,7006.22 r0 bottom
C71 "Cap_Murata_GCJ188R71E105KA01J_1uF" Cap_Murata_GCJ188R71E105KA01J_1uF 4972.33,7003.82 r0 bottom
C72 "Cap_Murata_GCJ188R71E105KA01J_1uF" Cap_Murata_GCJ188R71E105KA01J_1uF 4592.2,7450.08 r270 bottom
C73 "Cap_Murata_GCJ188R71E105KA01J_1uF" Cap_Murata_GCJ188R71E105KA01J_1uF 5111.94,7450.08 r270 bottom
C74 "Cap_Murata_ GRM21BC71E106ME11L_10uF" "Cap_Murata_ GRM21BC71E106ME11L_10uF" 3459.72,7032.28 r90 bottom
C75 "Cap_Murata_ GRM21BC71E106ME11L_10uF" "Cap_Murata_ GRM21BC71E106ME11L_10uF" 3379.93,7032.28 r90 bottom
C76 "Cap_Murata_ZRB18AR6YA475ME05L_4.7uF" Cap_Murata_ZRB18AR6YA475ME05L_4.7uF 3532.2,7025.14 r90 bottom
C77 "Cap_Murata_ GRM21BC71E106ME11L_10uF" "Cap_Murata_ GRM21BC71E106ME11L_10uF" 7694.13,3982.48 r270 bottom
C78 "Cap_Murata_GCJ188R71E105KA01J_1uF" Cap_Murata_GCJ188R71E105KA01J_1uF 7933.73,4415.04 r270 bottom
C79 "Cap_Murata_GCJ188R71E105KA01J_1uF" Cap_Murata_GCJ188R71E105KA01J_1uF 7864.82,4415.04 r270 bottom
C80 "Cap_Murata_GCJ188R71E105KA01J_1uF" Cap_Murata_GCJ188R71E105KA01J_1uF 7795.91,4415.04 r270 bottom
C81 "Cap_Murata_ GRM21BC71E106ME11L_10uF" "Cap_Murata_ GRM21BC71E106ME11L_10uF" 4875.63,7461.85 r90 bottom
C82 "Cap_Murata_GCJ188R71E105KA01J_1uF" Cap_Murata_GCJ188R71E105KA01J_1uF 5348.5,7450.08 r270 bottom
C83 "Cap_Murata_GCJ188R71E105KA01J_1uF" Cap_Murata_GCJ188R71E105KA01J_1uF 4848.58,7003.82 r180 bottom
C84 "Cap_Murata_GCJ188R71E105KA01J_1uF" Cap_Murata_GCJ188R71E105KA01J_1uF 4733.9,7450.08 r270 bottom
C85 "Cap_Murata_GJM1555C1H200GB01D_20pF" Cap_Murata_GJM1555C1H200GB01D_20pF 5490,7588.67 r270 bottom
C86 "Cap_Taiyo_Yuden_TMK105B7104KV-FR_100nF" Cap_Taiyo_Yuden_TMK105B7104KV-FR_100nF 4625.27,5997.27 r90 bottom
C87 "Cap_Taiyo_Yuden_TMK105B7104KV-FR_100nF" Cap_Taiyo_Yuden_TMK105B7104KV-FR_100nF 5132.84,5921.4 r180 top
C88 "Cap_Taiyo_Yuden_TMK105B7104KV-FR_100nF" Cap_Taiyo_Yuden_TMK105B7104KV-FR_100nF 5122.09,5875.47 r180 top
C89 "Cap_Taiyo_Yuden_TMK105B7104KV-FR_100nF" Cap_Taiyo_Yuden_TMK105B7104KV-FR_100nF 5132.84,5966.68 r180 top
C90 "Cap_Taiyo_Yuden_TMK105B7104KV-FR_100nF" Cap_Taiyo_Yuden_TMK105B7104KV-FR_100nF 5122.09,5833.06 r180 top
C91 "Cap_Taiyo_Yuden_TMK105B7104KV-FR_100nF" Cap_Taiyo_Yuden_TMK105B7104KV-FR_100nF 4736.53,6017.03 r270 top
C92 "Cap_Murata_GCQ1555C1H120FB01D_12pF" Cap_Murata_GCQ1555C1H120FB01D_12pF 4725.51,6122.93 r90 top
C93 "Cap_Taiyo_Yuden_TMK105B7104KV-FR_100nF" Cap_Taiyo_Yuden_TMK105B7104KV-FR_100nF 4781.81,6017.03 r270 top
C94 "Cap_Kemet_C0603C103J5RACTU_eec" Kemet_C0603_0 4874.48,6420.63 r90 top value=10nF
C95 "Cap_Kemet_C0603C103J5RACTU_eec" Kemet_C0603_0 5061.82,6420.63 r90 top value=10nF
C96 "Cap_Murata_GCJ188R71E105KA01J_1uF" Cap_Murata_GCJ188R71E105KA01J_1uF 4488.12,5989.93 r90 bottom
C97 "Cap_Murata_GCJ188R71E105KA01J_1uF" Cap_Murata_GCJ188R71E105KA01J_1uF 4625.9,5467.2 r90 bottom
C98 "Cap_Murata_GCJ188R71E105KA01J_1uF" Cap_Murata_GCJ188R71E105KA01J_1uF 4568,5712 r0 bottom
C99 "Cap_Murata_GCJ188R71E105KA01J_1uF" Cap_Murata_GCJ188R71E105KA01J_1uF 4983.11,5664.82 r180 bottom
C100 "Cap_Murata_GCJ188R71E105KA01J_1uF" Cap_Murata_GCJ188R71E105KA01J_1uF 4821.25,5543.39 r90 bottom
C101 "Cap_Murata_GCJ188R71E105KA01J_1uF" Cap_Murata_GCJ188R71E105KA01J_1uF 4985.71,5757.61 r180 bottom
C102 "Cap_Taiyo_Yuden_TMK105B7104KV-FR_100nF" Cap_Taiyo_Yuden_TMK105B7104KV-FR_100nF 4909.46,6163.98 r270 top
C103 "Cap_Murata_GCJ188R71E105KA01J_1uF" Cap_Murata_GCJ188R71E105KA01J_1uF 4985.71,5827.04 r180 bottom
C104 "Cap_Murata_GCJ188R71E105KA01J_1uF" Cap_Murata_GCJ188R71E105KA01J_1uF 4892.48,5543.39 r90 bottom
C105 "Cap_Murata_GCJ188R71E105KA01J_1uF" Cap_Murata_GCJ188R71E105KA01J_1uF 4530.51,5533.71 r90 bottom
C106 "Cap_Murata_GCJ188R71E105KA01J_1uF" Cap_Murata_GCJ188R71E105KA01J_1uF 4561.29,5803.68 r0 bottom
C107 "Cap_Murata_GCJ188R71E105KA01J_1uF" Cap_Murata_GCJ188R71E105KA01J_1uF 4752.34,5543.47 r90 bottom
C108 "Cap_Murata_GCJ188R71E105KA01J_1uF" Cap_Murata_GCJ188R71E105KA01J_1uF 4562.98,5873.56 r0 bottom